# Altium PCB RTM_SFP.PcbDoc (part 6 of 17) (continued)
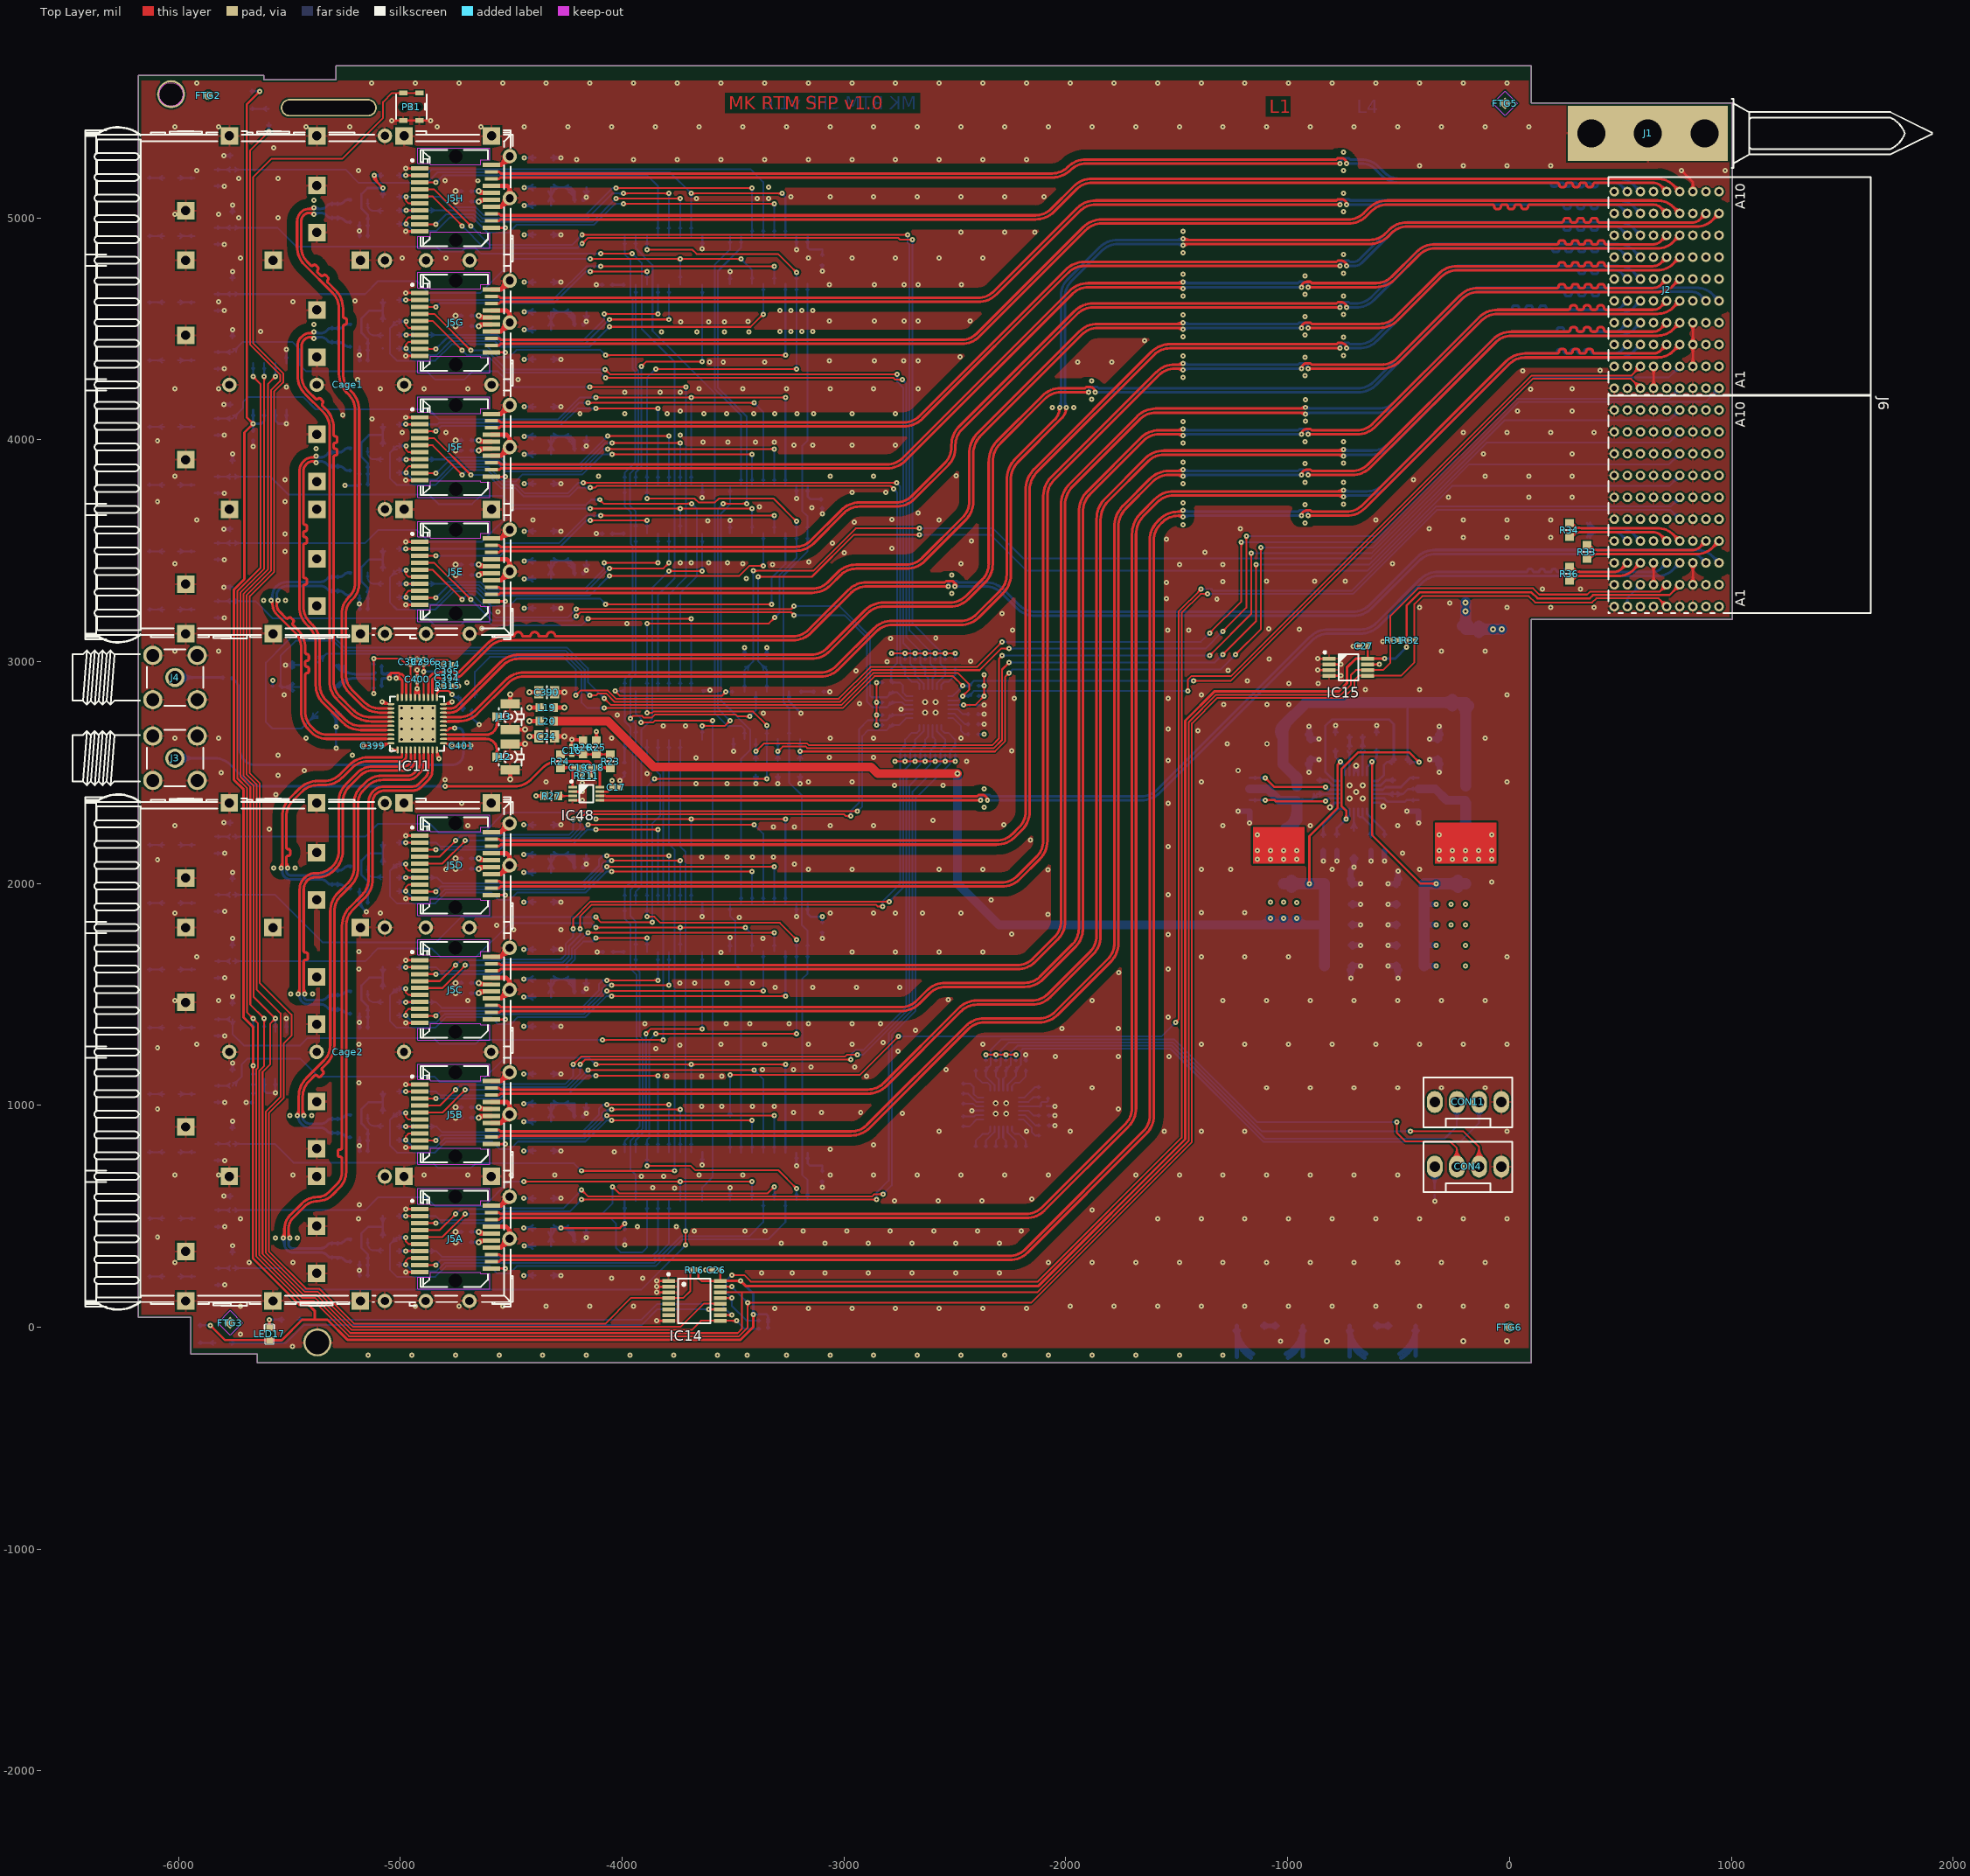
[diagram p0: Top Layer view]
## Nets (pads, with @x,y where several pads share a name; then routed paths per layer and width w, separated by ;. In a path a pad name is that pad's centre, name@x,y a point inside that pad or via, vN(x,y) a via of type N, cw(c..) or ccw(c..) an arc to the next point about the centre after c; other vN are vias at no path point) (continued)
  Bottom Layer w11.81: C228H.1@-4685.04,5073.43 v2(-4646.99,5073.43) ; C228H.1@-4680.59,5068.98 cw(c-4669.83,5058.23) -4669.83,5073.43 cw(c-4669.83,5088.64) C228H.1@-4680.59,5077.89 ; -4666,5073.43 cw(c-4666,5054.42) -4652.56,5067.87 ccw(c-4666,5054.42) -4666,5073.43 ; -4666,5073.43 ccw(c-4666,5092.44) -4652.56,5079 cw(c-4666,5092.44) -4666,5073.43
NetC280_1: C280.1 IC16.21 L2.1 T5.3 T5.7 T5.8 | length 884.5
  Bottom Layer w10: T5.7@-958.66,2375.79 -893.5,2375.79 C280.1@-866.54,2402.76 IC16.21@-768.11,2402.76 ; T5.7@-935.14,2370.97 cw(c-923.52,2359.34) -923.52,2375.79 cw(c-923.52,2392.23) T5.7@-935.14,2380.6 ; -891.6,2377.69 ccw(c-916.67,2402.76) C280.1@-881.22,2402.76 ; -889.23,2380.06 cw(c-867.52,2358.35) C280.1@-867.52,2389.06 ; C280.1@-855.86,2393.07 cw(c-832.47,2369.68) -832.47,2402.76 cw(c-832.47,2435.83) C280.1@-855.86,2412.44
  Bottom Layer w39.37: T5.3@-1171.26,2425.79 -1089.96,2425.79 -1039.96,2375.79 T5.7@-958.66,2375.79
  Bottom Layer w50: L2.1@-1018.5,2227.17 -958.66,2287.01 T5.8@-958.66,2325.79 ; L2.1@-1008.34,2247.27 ccw(c-1045.55,2325.78) T5.8@-958.66,2325.79 ; L2.1@-976.86,2230.71 cw(c-912.73,2241.07) -958.66,2287.01 ; -958.66,2362.6 T5.8@-958.66,2325.79
  other v1: -1136.61,2109.06 -1077.56,2109.06 -1018.5,2109.06 -959.45,2109.06 -1136.61,2148.43 -1077.56,2148.43 -1018.5,2148.43 -959.45,2148.43 -1136.61,2219.29
NetC280_2: C280.2 IC16.23 | length 160.2
  Bottom Layer w10: C280.2@-866.54,2465.75 -820.87,2465.75 -797.24,2442.13 IC16.23@-768.11,2442.13 ; C280.2@-855.86,2456.06 cw(c-832.47,2432.67) -832.47,2465.75 cw(c-832.47,2498.82) C280.2@-855.86,2475.44
NetC386_2: C386.2 IC16.14 IC16.15 | length 246
  Bottom Layer w10: IC16.15@-681.5,2335.83 -681.5,2305.91 -674.41,2298.82 -661.81,2298.82 ; IC16.14@-661.81,2335.83 -661.81,2298.82 ; C386.2@-634.1,2219.53 ccw(c-657.49,2242.92) -624.41,2242.92 ccw(c-591.33,2242.92) C386.2@-614.72,2219.53 ; C386.2@-624.41,2209.84 -624.41,2261.42 -661.81,2298.82
NetC392_1: C392.1 IC11.9 R313.2 | length 494.9
  Top Layer w10: IC11.9@-4993.31,2838.19 -4993.31,2859.08 -4992.46,2859.92
  Top Layer w12: v1(-5018.69,2925.59) -5001.97,2925.59 -4992.46,2916.09 ; -4992.46,2859.92 -4992.46,2916.09 ; -5004.66,2925.59 cw(c-5004.66,2939.62) -5014.58,2929.7 ccw(c-5004.66,2939.62) -5004.66,2925.59 ; -5004.66,2925.59 ccw(c-5004.66,2911.56) -5014.58,2921.48 cw(c-5004.66,2911.56) -5004.66,2925.59 ; -4992.46,2916.09 ccw(c-5007.39,2901.17) -5016.25,2920.32 cw(c-5007.39,2901.17) -4992.46,2916.09 ; v1@-5021.29,2931.21 cw(c-5015.08,2917.79) -5004.62,2928.24 ccw(c-5015.08,2917.79) v1@-5021.29,2931.21
  Bottom Layer w12: R313.2@-5089.15,2978.96 cw(c-5099.07,2969.04) -5085.04,2969.04 cw(c-5071.01,2969.04) R313.2@-5080.93,2978.96 ; R313.2@-5085.04,2983.07 C392.1@-5085.04,2949.61 -5079.13,2943.7 -5064.17,2943.7 -5058.47,2949.4 -5028.23,2949.4 ; C392.1@-5082.73,2950.93 ccw(c-5065.27,2968.39) -5065.27,2943.7 ; v1(-5018.69,2925.59) -5018.69,2939.86 -5028.23,2949.4 ; -5028.23,2949.4 cw(c-5042.11,2935.52) -5024.04,2927.86 ccw(c-5042.11,2935.52) -5028.23,2949.4 ; -5018.69,2939.62 cw(c-5032.72,2939.62) -5022.8,2929.7 ccw(c-5032.72,2939.62) -5018.69,2939.62 ; -5018.69,2939.62 ccw(c-5004.66,2939.62) -5014.58,2929.7 cw(c-5004.66,2939.62) -5018.69,2939.62
NetC393_1: C393.1 IC11.8 R312.2 | length 463.2
  Top Layer w10: -4974.46,2859.92 -4973.62,2859.08 IC11.8@-4973.62,2838.19
  Top Layer w12: v1(-5048.61,2925.59) -5048.61,2941.43 -5040.64,2949.4 ; -4974.46,2859.92 -4974.46,2924.35 -4993.7,2943.59 -5003.01,2943.59 -5008.83,2949.4 -5040.64,2949.4 ; -5048.61,2939.62 cw(c-5062.64,2939.62) -5052.72,2929.7 ccw(c-5062.64,2939.62) -5048.61,2939.62 ; -5048.61,2939.62 ccw(c-5034.58,2939.62) -5044.5,2929.7 cw(c-5034.58,2939.62) -5048.61,2939.62 ; -5040.64,2949.4 ccw(c-5028.24,2937) -5043.54,2928.43 cw(c-5028.24,2937) -5040.64,2949.4 ; v1@-5054.01,2922.57 cw(c-5042.61,2928.95) -5051.85,2938.19 ccw(c-5042.61,2928.95) v1@-5054.01,2922.57
  Bottom Layer w12: R312.2@-5089.15,2890.33 ccw(c-5099.07,2900.25) -5085.04,2900.25 ccw(c-5071.01,2900.25) R312.2@-5080.93,2890.33 ; R312.2@-5085.04,2886.22 C393.1@-5085.04,2919.68 -5079.13,2925.59 v1@-5056.83,2925.59 ; C393.1@-5082.73,2918.36 cw(c-5065.27,2900.9) -5065.27,2925.59 ; -5062.64,2925.59 cw(c-5062.64,2911.56) -5052.72,2921.48 ccw(c-5062.64,2911.56) -5062.64,2925.59 ; -5062.64,2925.59 ccw(c-5062.64,2939.62) -5052.72,2929.7 cw(c-5062.64,2939.62) -5062.64,2925.59
NetC394_1: C394.1 IC11.2 R315.2 | length 194.8
  Top Layer w10: -4856.35,2859.92 -4855.51,2859.08 IC11.2@-4855.51,2838.19
  Top Layer w12: -4856.35,2859.92 -4856.35,2917.66 -4845.02,2928.99 -4824.64,2928.99 -4818.88,2923.23 C394.1@-4803.94,2923.23 R315.2@-4803.94,2889.76 ; R315.2@-4808.05,2893.87 ccw(c-4817.97,2903.79) -4803.94,2903.79 ccw(c-4789.91,2903.79) R315.2@-4799.83,2893.87
NetC395_1: C395.1 IC11.3 R314.2 | length 224.6
  Top Layer w10: IC11.3@-4875.2,2838.19 -4875.2,2859.08 -4874.35,2859.92
  Top Layer w12: -4874.35,2859.92 -4874.35,2925.12 -4852.48,2946.99 -4824.64,2946.99 -4818.88,2952.76 C395.1@-4803.94,2952.76 R314.2@-4803.94,2986.22 ; R314.2@-4808.05,2982.11 cw(c-4817.97,2972.19) -4803.94,2972.19 cw(c-4789.91,2972.19) R314.2@-4799.83,2982.11
NetC396_2: C396.2 IC11.4 R314.1 R315.1 | length 922.1
  Top Layer w7.99: C396.2@-4897.62,2980.53 cw(c-4904.24,2973.91) -4894.88,2973.91 cw(c-4885.52,2973.91) C396.2@-4892.14,2980.53 ; IC11.4@-4894.88,2838.19 v1(-4894.88,2955.51) C396.2@-4894.88,2984.25 -4870.08,2984.25 -4845.67,3008.66 -4788.62,3008.66 -4768.5,2988.55 R314.1@-4768.5,2986.22 ; C396.2@-4892.14,2981.51 cw(c-4885.52,2974.89) -4885.52,2984.25 cw(c-4885.52,2993.61) C396.2@-4892.14,2986.99 ; -4783.49,3003.53 cw(c-4800.8,2986.22) R314.1@-4776.32,2986.22 ; R314.1@-4777.88,2997.92 ccw(c-4768.5,3007.29) R314.1@-4768.5,2994.04 ; R315.1@-4768.5,2889.76 v1(-4737.8,2889.76) ; R315.1@-4762.98,2884.24 cw(c-4749.64,2870.9) -4749.64,2889.76 cw(c-4749.64,2908.63) R315.1@-4762.98,2895.29 ; -4894.88,2936.64 cw(c-4876.01,2936.64) -4889.36,2949.99 ccw(c-4876.01,2936.64) -4894.88,2936.64 ; -4894.88,2936.64 ccw(c-4913.75,2936.64) -4900.41,2949.99 cw(c-4913.75,2936.64) -4894.88,2936.64 ; -4894.88,2974.38 cw(c-4913.75,2974.38) -4900.41,2961.04 ccw(c-4913.75,2974.38) -4894.88,2974.38 ; -4894.88,2974.38 ccw(c-4876.01,2974.38) -4889.36,2961.04 cw(c-4876.01,2974.38) -4894.88,2974.38 ; -4756.66,2889.76 cw(c-4756.66,2870.9) -4743.32,2884.24 ccw(c-4756.66,2870.9) -4756.66,2889.76 ; -4756.66,2889.76 ccw(c-4756.66,2908.63) -4743.32,2895.29 cw(c-4756.66,2908.63) -4756.66,2889.76
  Bottom Layer w7.99: v1(-4894.88,2955.51) -4754.33,2955.51 -4737.8,2938.98 v1(-4737.8,2889.76) ; -4876.01,2955.51 cw(c-4876.01,2974.38) -4889.36,2961.04 ccw(c-4876.01,2974.38) -4876.01,2955.51 ; -4876.01,2955.51 ccw(c-4876.01,2936.64) -4889.36,2949.99 cw(c-4876.01,2936.64) -4876.01,2955.51 ; -4737.8,2908.63 cw(c-4756.66,2908.63) -4743.32,2895.29 ccw(c-4756.66,2908.63) -4737.8,2908.63 ; -4737.8,2908.63 ccw(c-4718.93,2908.63) -4732.27,2895.29 cw(c-4718.93,2908.63) -4737.8,2908.63
NetC397_2: C397.2 IC11.7 R312.1 R313.1 | length 929.6
  Top Layer w7.99: v1(-5120.47,2855.51) v1(-5120.47,3013.78) -4999.61,3013.78 -4970.08,2984.25 C397.2@-4953.94,2984.25 IC11.7@-4953.94,2838.19 ; C397.2@-4956.68,2980.53 cw(c-4963.3,2973.91) -4953.94,2973.91 cw(c-4944.57,2973.91) C397.2@-4951.19,2980.53 ; C397.2@-4956.68,2981.51 ccw(c-4963.3,2974.89) -4963.3,2984.25 ccw(c-4963.3,2993.61) C397.2@-4956.68,2986.99 ; -5120.47,2874.38 cw(c-5139.34,2874.38) -5126,2861.04 ccw(c-5139.34,2874.38) -5120.47,2874.38 ; -5120.47,2874.38 ccw(c-5101.61,2874.38) -5114.95,2861.04 cw(c-5101.61,2874.38) -5120.47,2874.38 ; -5120.47,2994.91 cw(c-5101.61,2994.91) v1@-5114.95,3008.25 ; -5120.47,2994.91 ccw(c-5139.34,2994.91) -5126,3008.25 cw(c-5139.34,2994.91) -5120.47,2994.91 ; -5120.47,2994.91 cw(c-5101.61,2994.91) v1@-5114.95,3008.25 ; v1@-5114.95,3008.25 cw(c-5101.61,2994.91) -5101.61,3013.78 ; v1@-5114.95,3008.25 cw(c-5101.61,2994.91) -5101.61,3013.78 ; -5101.61,3013.78 cw(c-5101.61,3032.65) -5114.95,3019.31 ccw(c-5101.61,3032.65) -5101.61,3013.78
  Bottom Layer w7.99: R312.1@-5126,2880.69 cw(c-5139.34,2867.35) -5120.47,2867.35 cw(c-5101.61,2867.35) R312.1@-5114.95,2880.69 ; R313.1@-5126,2988.6 ccw(c-5139.34,3001.94) -5120.47,3001.94 ccw(c-5101.61,3001.94) R313.1@-5114.95,2988.6 ; v1(-5120.47,2855.51) R312.1@-5120.47,2886.22 ; R313.1@-5120.47,2983.07 v1(-5120.47,3013.78) ; -5120.47,2874.38 cw(c-5139.34,2874.38) -5126,2861.04 ccw(c-5139.34,2874.38) -5120.47,2874.38 ; -5120.47,2874.38 ccw(c-5101.61,2874.38) -5114.95,2861.04 cw(c-5101.61,2874.38) -5120.47,2874.38 ; -5120.47,2994.91 cw(c-5101.61,2994.91) -5114.95,3008.25 ccw(c-5101.61,2994.91) -5120.47,2994.91 ; -5120.47,2994.91 ccw(c-5139.34,2994.91) -5126,3008.25 cw(c-5139.34,2994.91) -5120.47,2994.91
NetCON4_2: CON4.2 IC40.15 R355.1 | length 3089.7
  Top Layer w7.99: v1(-446.06,883.86) -208.66,883.86 -137.02,812.22 ; CON4.2@-158.97,760.16 ccw(c-209.73,812.22) -137.02,812.22 ; CON4.2@-153.39,754.44 ccw(c-191.25,793.26) -137.02,793.26 ccw(c-82.8,793.26) CON4.2@-120.66,754.44 ; CON4.2@-147.81,748.72 ccw(c-172.76,774.31) -137.02,774.31 ccw(c-101.28,774.31) CON4.2@-126.24,748.72 ; CON4.2@-137.02,723.87 -137.02,812.22 ; CON4.2@-115.08,760.16 cw(c-64.32,812.22) -137.02,812.22 ; -427.2,883.86 cw(c-427.2,902.73) -440.54,889.38 ccw(c-427.2,902.73) -427.2,883.86 ; -427.2,883.86 ccw(c-427.2,864.99) -440.54,878.33 cw(c-427.2,864.99) -427.2,883.86
  Bottom Layer w7.99: R355.1@-2321.33,1156.67 cw(c-2334.67,1143.33) -2315.8,1143.33 cw(c-2296.94,1143.33) R355.1@-2310.28,1156.67 ; R355.1@-2315.8,1170.01 ccw(c-2315.8,1194.49) -2298.49,1177.18 ; R355.1@-2307.99,1162.2 cw(c-2294.74,1162.2) R355.1@-2304.11,1171.57 ; IC40.15@-2302.36,1066.54 -2302.36,1117.65 -2315.8,1131.09 R355.1@-2315.8,1162.2 -2313.48,1162.2 -2293.31,1182.37 -2293.31,1248.03 -2257.84,1283.5 -1517.15,1283.5 -1117.51,883.86 v1(-446.06,883.86) ; -464.93,883.86 cw(c-464.93,864.99) -451.59,878.33 ccw(c-464.93,864.99) -464.93,883.86 ; -464.93,883.86 ccw(c-464.93,902.73) -451.59,889.38 cw(c-464.93,902.73) -464.93,883.86
NetCON4_3: CON4.3 IC40.14 R354.1 | length 3003.2
  Top Layer w7.99: v1(-507.87,924.8) -507.87,876.38 -469.29,837.8 -268.11,837.8 -237.02,806.71 CON4.3@-237.02,723.87 ; CON4.3@-257.67,761.36 ccw(c-297.14,806.7) -237.02,806.7 ccw(c-176.91,806.7) CON4.3@-216.38,761.36 ; CON4.3@-252.42,755.34 ccw(c-281.86,789.15) -237.02,789.15 ccw(c-192.19,789.15) CON4.3@-221.63,755.34 ; -507.87,905.94 cw(c-489.01,905.94) -502.35,919.28 ccw(c-489.01,905.94) -507.87,905.94 ; -507.87,905.94 ccw(c-526.74,905.94) -513.4,919.28 cw(c-526.74,905.94) -507.87,905.94
  Bottom Layer w7.99: R354.1@-2366.6,1156.67 cw(c-2379.95,1143.33) -2361.08,1143.33 cw(c-2342.21,1143.33) R354.1@-2355.55,1156.67 ; R354.1@-2361.08,1170.01 ccw(c-2361.08,1194.49) -2343.77,1177.18 ; R354.1@-2353.26,1162.2 cw(c-2340.01,1162.2) R354.1@-2349.38,1171.57 ; IC40.14@-2322.05,1066.54 -2322.05,1092.06 -2361.08,1131.09 R354.1@-2361.08,1162.2 -2358.75,1162.2 -2338.58,1182.37 -2338.58,1250 -2291.09,1297.49 -1511.35,1297.49 -1138.67,924.8 v1(-507.87,924.8) ; -526.74,924.8 cw(c-526.74,905.94) -513.4,919.28 ccw(c-526.74,905.94) -526.74,924.8 ; -526.74,924.8 ccw(c-526.74,943.67) -513.4,930.33 cw(c-526.74,943.67) -526.74,924.8
NetCON11_2: CON11.2 IC40.17 R357.1 | length 2904.4
  Bottom Layer w7.99: IC40.17@-2262.99,1066.54 -2262.99,1093.55 -2225.45,1131.09 R357.1@-2225.45,1162.2 -2223.12,1162.2 -2203.15,1182.17 -2203.15,1245.28 -2192.91,1255.51 -1528.74,1255.51 -1108.81,835.58 -223.08,835.58 -137.02,921.64 CON11.2@-137.02,1015.21 ; R357.1@-2230.98,1156.67 cw(c-2244.32,1143.33) -2225.45,1143.33 cw(c-2206.58,1143.33) R357.1@-2219.92,1156.67 ; R357.1@-2225.45,1170.01 ccw(c-2225.45,1194.49) -2208.14,1177.18 ; R357.1@-2217.63,1162.2 cw(c-2204.38,1162.2) R357.1@-2213.75,1171.57 ; CON11.2@-159.25,979.2 cw(c-212.92,925.54) -137.02,925.54 cw(c-61.13,925.54) CON11.2@-114.79,979.2 ; CON11.2@-153.6,984.85 cw(c-193.62,944.83) -137.02,944.83 cw(c-80.42,944.83) CON11.2@-120.45,984.85 ; CON11.2@-147.95,990.51 cw(c-174.33,964.13) -137.02,964.13 cw(c-99.72,964.13) CON11.2@-126.1,990.51
NetCON11_3: CON11.3 IC40.16 R356.1 | length 2844.6
  Bottom Layer w7.99: IC40.16@-2282.68,1066.54 -2282.68,1118.95 -2270.53,1131.09 R356.1@-2270.53,1162.2 -2268.2,1162.2 -2248.72,1181.68 -2248.72,1237.86 -2248.82,1237.96 -2217.28,1269.5 -1522.94,1269.5 -1103.02,849.57 -292.94,849.57 -237.02,905.5 CON11.3@-237.02,1015.21 ; R356.1@-2276.05,1156.67 cw(c-2289.39,1143.33) -2270.53,1143.33 cw(c-2251.66,1143.33) R356.1@-2265,1156.67 ; R356.1@-2270.53,1170.01 ccw(c-2270.53,1194.49) -2253.22,1177.18 ; R356.1@-2262.71,1162.2 cw(c-2249.46,1162.2) R356.1@-2258.83,1171.57 ; CON11.3@-259.25,979.2 cw(c-312.92,925.54) -237.02,925.54 cw(c-161.13,925.54) CON11.3@-214.79,979.2 ; CON11.3@-253.6,984.85 cw(c-293.62,944.83) -237.02,944.83 cw(c-180.42,944.83) CON11.3@-220.45,984.85 ; CON11.3@-247.95,990.51 cw(c-274.33,964.13) -237.02,964.13 cw(c-199.72,964.13) CON11.3@-226.1,990.51
NetF1_1: F1.1 J6.A1 J6.A2 J6.B1 J6.B2 | length 436.6
  Bottom Layer w50: F1.1@-211.97,3160.4 ccw(c-246.59,3195.01) -197.64,3195.01 ccw(c-148.69,3195.01) F1.1@-183.3,3160.4 ; v2(-197.64,3266.03) F1.1@-197.64,3146.06 v2(-34.74,3146.06) ; F1.1@-138.03,3131.73 cw(c-103.41,3097.11) -103.41,3146.06 cw(c-103.41,3195.01) F1.1@-138.03,3160.4
  other v2: -74.02,3146.06 -197.64,3226.77
NetIC1_2: IC1.2 IC2.1 IC5.1 IC7.1 IC9.1 | length 4497.3
  Bottom Layer w7.99: IC1.2@-3253.56,2627.35 cw(c-3266.9,2614.01) -3248.03,2614.01 cw(c-3229.16,2614.01) IC1.2@-3242.51,2627.35 ; IC1.2@-3253.56,2675.8 ccw(c-3266.9,2689.14) -3248.03,2689.14 ccw(c-3229.16,2689.14) IC1.2@-3242.51,2675.8 ; IC9.1@-3169.7,597.31 ccw(c-3183.04,610.65) -3164.17,610.65 ccw(c-3145.31,610.65) IC9.1@-3158.65,597.31 ; IC7.1@-3169.7,1670.9 cw(c-3183.04,1657.56) -3164.17,1657.56 cw(c-3145.31,1657.56) IC7.1@-3158.65,1670.9 ; IC7.1@-3169.7,1719.35 ccw(c-3183.04,1732.69) -3164.17,1732.69 ccw(c-3145.31,1732.69) IC7.1@-3158.65,1719.35 ; IC5.1@-3169.7,3555.95 cw(c-3183.04,3542.61) -3164.17,3542.61 cw(c-3145.31,3542.61) IC5.1@-3158.65,3555.95 ; IC5.1@-3169.7,3604.4 ccw(c-3183.04,3617.74) -3164.17,3617.74 ccw(c-3145.31,3617.74) IC5.1@-3158.65,3604.4 ; IC2.1@-3169.7,4677.99 cw(c-3183.04,4664.65) -3164.17,4664.65 cw(c-3145.31,4664.65) IC2.1@-3158.65,4677.99 ; IC9.1@-3164.17,573.08 -3164.17,662.6 -3188.58,687.01 -3188.58,1569.69 -3164.17,1594.09 IC7.1@-3164.17,1695.13 -3164.17,1786.61 -3190.16,1812.6 -3190.16,2397.64 -3248.03,2455.51 IC1.2@-3248.03,2651.57 -3248.03,2790.94 -3273.23,2816.14 -3273.23,3388.08 -3164.17,3497.13 IC5.1@-3164.17,3580.17 -3164.17,3654.33 -3188.98,3679.13 -3188.98,3971.65 -3164.17,3996.46 IC2.1@-3164.17,4702.22
NetIC1_4: IC1.4 IC2.2 IC3.3 IC4.3 IC5.2 IC6.3 IC7.2 IC8.3 IC9.2 IC10.3 | length 12621
  Top Layer w7.99: v1(-3888.78,727.94) -3692.12,727.94 -3672.04,707.87 -3296.85,707.87 v1(-3214.17,625.19) ; v1(-3888.78,1849.99) -3854.72,1849.99 -3827.31,1822.59 -3289.52,1822.59 v1(-3214.17,1747.24) ; v1(-3888.78,2768.68) -3864.78,2768.68 -3858.66,2774.8 -3409.83,2774.8 v1(-3348.03,2713.01) ; v1(-3888.78,3171.65) -3338.98,3171.65 v1(-3311.81,3198.82) ; v1(-3888.78,3735.04) -3673.62,3735.04 -3655.12,3716.54 -3582.68,3716.54 -3564.17,3735.04 -3316.93,3735.04 v1(-3214.17,3632.28) ; v1(-3888.78,4857.09) -3685.04,4857.09 -3664.96,4837.01 -3297.64,4837.01 -3297.24,4837.4 v1(-3214.17,4754.33) ; v1(-3854.72,2471.65) v1(-3348.03,2471.65) ; v1(-3849.21,1322.43) v1(-3214.17,1322.43) ; v1(-3849.21,4318.9) v1(-3214.17,4318.9) ; -3358.41,2722.58 ccw(c-3345.36,2726.08) v1@-3348.07,2712.84 ; -3357.6,2723.39 cw(c-3361.1,2710.33) v1@-3347.86,2713.04 ; -3322.19,3189.25 cw(c-3309.14,3185.75) v1@-3311.85,3198.99 ; -3321.38,3188.44 ccw(c-3324.88,3201.49) v1@-3311.64,3198.78 ; -3224.55,634.76 ccw(c-3211.5,638.26) v1@-3214.21,625.01 ; -3224.55,1756.8 ccw(c-3211.5,1760.3) v1@-3214.21,1747.06 ; -3224.55,3641.85 ccw(c-3211.5,3645.35) v1@-3214.21,3632.11 ; -3224.55,4763.9 ccw(c-3211.5,4767.4) v1@-3214.21,4754.16 ; -3223.74,635.57 cw(c-3227.24,622.51) v1@-3214,625.22 ; -3223.74,1757.61 cw(c-3227.24,1744.56) v1@-3214,1747.27 ; -3223.74,3642.66 cw(c-3227.24,3629.61) v1@-3214,3632.32 ; -3223.74,4764.71 cw(c-3227.24,4751.65) v1@-3214,4754.37 ; -3869.91,727.94 cw(c-3869.91,746.81) -3883.25,733.47 ccw(c-3869.91,746.81) -3869.91,727.94 ; -3869.91,727.94 ccw(c-3869.91,709.08) -3883.25,722.42 cw(c-3869.91,709.08) -3869.91,727.94 ; -3869.91,1849.99 cw(c-3869.91,1868.86) -3883.25,1855.52 ccw(c-3869.91,1868.86) -3869.91,1849.99 ; -3869.91,1849.99 ccw(c-3869.91,1831.12) -3883.25,1844.47 cw(c-3869.91,1831.12) -3869.91,1849.99 ; -3869.91,2768.68 cw(c-3869.91,2787.55) -3883.25,2774.21 ccw(c-3869.91,2787.55) -3869.91,2768.68 ; -3869.91,2768.68 ccw(c-3869.91,2749.82) -3883.25,2763.16 cw(c-3869.91,2749.82) -3869.91,2768.68 ; -3869.91,3171.65 cw(c-3869.91,3190.52) -3883.25,3177.18 ccw(c-3869.91,3190.52) -3869.91,3171.65 ; -3869.91,3171.65 ccw(c-3869.91,3152.79) -3883.25,3166.13 cw(c-3869.91,3152.79) -3869.91,3171.65 ; -3869.91,3735.04 cw(c-3869.91,3753.91) -3883.25,3740.56 ccw(c-3869.91,3753.91) -3869.91,3735.04 ; -3869.91,3735.04 ccw(c-3869.91,3716.17) -3883.25,3729.51 cw(c-3869.91,3716.17) -3869.91,3735.04 ; -3869.91,4857.09 cw(c-3869.91,4875.95) -3883.25,4862.61 ccw(c-3869.91,4875.95) -3869.91,4857.09 ; -3869.91,4857.09 ccw(c-3869.91,4838.22) -3883.25,4851.56 cw(c-3869.91,4838.22) -3869.91,4857.09 ; -3835.86,2471.65 cw(c-3835.86,2490.52) -3849.2,2477.18 ccw(c-3835.86,2490.52) -3835.86,2471.65 ; -3835.86,2471.65 ccw(c-3835.86,2452.79) -3849.2,2466.13 cw(c-3835.86,2452.79) -3835.86,2471.65 ; -3830.35,1322.43 cw(c-3830.35,1341.3) -3843.69,1327.96 ccw(c-3830.35,1341.3) -3830.35,1322.43 ; -3830.35,1322.43 ccw(c-3830.35,1303.57) -3843.69,1316.91 cw(c-3830.35,1303.57) -3830.35,1322.43 ; -3830.35,4318.9 cw(c-3830.35,4337.76) -3843.69,4324.42 ccw(c-3830.35,4337.76) -3830.35,4318.9 ; -3830.35,4318.9 ccw(c-3830.35,4300.03) -3843.69,4313.37 cw(c-3830.35,4300.03) -3830.35,4318.9 ; -3366.9,2471.65 cw(c-3366.9,2452.79) -3353.56,2466.13 ccw(c-3366.9,2452.79) -3366.9,2471.65 ; -3366.9,2471.65 ccw(c-3366.9,2490.52) -3353.56,2477.18 cw(c-3366.9,2490.52) -3366.9,2471.65 ; -3361.37,2726.35 cw(c-3374.71,2713.01) -3355.85,2713.01 ccw(c-3374.71,2713.01) -3361.37,2726.35 ; -3361.37,2726.35 ccw(c-3348.03,2739.69) -3348.03,2720.82 cw(c-3348.03,2739.69) -3361.37,2726.35 ; -3325.15,3185.48 cw(c-3311.81,3172.14) -3311.81,3191 ccw(c-3311.81,3172.14) -3325.15,3185.48 ; -3325.15,3185.48 ccw(c-3338.49,3198.82) -3319.63,3198.82 cw(c-3338.49,3198.82) -3325.15,3185.48 ; -3233.04,1322.43 cw(c-3233.04,1303.57) -3219.7,1316.91 ccw(c-3233.04,1303.57) -3233.04,1322.43 ; -3233.04,1322.43 ccw(c-3233.04,1341.3) -3219.7,1327.96 cw(c-3233.04,1341.3) -3233.04,1322.43 ; -3233.04,4318.9 cw(c-3233.04,4300.03) -3219.7,4313.37 ccw(c-3233.04,4300.03) -3233.04,4318.9 ; -3233.04,4318.9 ccw(c-3233.04,4337.76) -3219.7,4324.42 cw(c-3233.04,4337.76) -3233.04,4318.9 ; -3227.51,638.53 cw(c-3240.86,625.19) -3221.99,625.19 ccw(c-3240.86,625.19) -3227.51,638.53 ; -3227.51,638.53 ccw(c-3214.17,651.87) -3214.17,633 cw(c-3214.17,651.87) -3227.51,638.53 ; -3227.51,1760.58 cw(c-3240.86,1747.24) -3221.99,1747.24 ccw(c-3240.86,1747.24) -3227.51,1760.58 ; -3227.51,1760.58 ccw(c-3214.17,1773.92) -3214.17,1755.05 cw(c-3214.17,1773.92) -3227.51,1760.58 ; -3227.51,3645.62 cw(c-3240.86,3632.28) -3221.99,3632.28 ccw(c-3240.86,3632.28) -3227.51,3645.62 ; -3227.51,3645.62 ccw(c-3214.17,3658.97) -3214.17,3640.1 cw(c-3214.17,3658.97) -3227.51,3645.62 ; -3227.51,4767.67 cw(c-3240.86,4754.33) -3221.99,4754.33 ccw(c-3240.86,4754.33) -3227.51,4767.67 ; -3227.51,4767.67 ccw(c-3214.17,4781.01) -3214.17,4762.15 cw(c-3214.17,4781.01) -3227.51,4767.67
  Bottom Layer w7.99: IC8.3@-3894.44,755.72 cw(c-3908.1,742.05) -3888.78,742.05 cw(c-3869.46,742.05) IC8.3@-3883.12,755.72 ; IC8.3@-3894.44,823.04 ccw(c-3908.1,836.7) -3888.78,836.7 ccw(c-3869.46,836.7) IC8.3@-3883.12,823.04 ; IC6.3@-3894.44,1877.77 cw(c-3908.1,1864.1) -3888.78,1864.1 cw(c-3869.46,1864.1) IC6.3@-3883.12,1877.77 ; IC6.3@-3894.44,1945.09 ccw(c-3908.1,1958.75) -3888.78,1958.75 ccw(c-3869.46,1958.75) IC6.3@-3883.12,1945.09 ; IC10.3@-3894.44,2833.47 cw(c-3908.1,2819.8) -3888.78,2819.8 cw(c-3869.46,2819.8) IC10.3@-3883.12,2833.47 ; IC10.3@-3894.44,2900.79 ccw(c-3908.1,2914.45) -3888.78,2914.45 ccw(c-3869.46,2914.45) IC10.3@-3883.12,2900.79 ; IC4.3@-3894.44,3762.81 cw(c-3908.1,3749.15) -3888.78,3749.15 cw(c-3869.46,3749.15) IC4.3@-3883.12,3762.81 ; IC4.3@-3894.44,3830.13 ccw(c-3908.1,3843.8) -3888.78,3843.8 ccw(c-3869.46,3843.8) IC4.3@-3883.12,3830.13 ; IC3.3@-3894.44,4884.86 cw(c-3908.1,4871.2) -3888.78,4871.2 cw(c-3869.46,4871.2) IC3.3@-3883.12,4884.86 ; v1(-3888.78,727.94) IC8.3@-3888.78,789.38 -3888.78,844.49 -3878.94,854.33 -3878.94,1292.71 v1(-3849.21,1322.43) ; v1(-3888.78,1849.99) IC6.3@-3888.78,1911.43 -3888.78,2437.6 v1(-3854.72,2471.65) ; v1(-3888.78,2768.68) IC10.3@-3888.78,2867.13 v1(-3888.78,3171.65) ; v1(-3888.78,3735.04) IC4.3@-3888.78,3796.47 -3888.78,4279.33 v1(-3849.21,4318.9) ; v1(-3888.78,4857.09) IC3.3@-3888.78,4918.52 ; IC1.4@-3353.56,2627.35 cw(c-3366.9,2614.01) -3348.03,2614.01 cw(c-3329.16,2614.01) IC1.4@-3342.51,2627.35 ; IC1.4@-3353.56,2675.8 ccw(c-3366.9,2689.14) -3348.03,2689.14 ccw(c-3329.16,2689.14) IC1.4@-3342.51,2675.8 ; v1(-3348.03,2471.65) IC1.4@-3348.03,2651.57 v1(-3348.03,2713.01) ; v1(-3311.81,3198.82) -3290.06,3220.57 -3290.06,3391.04 -3214.17,3466.93 IC5.2@-3214.17,3580.17 v1(-3214.17,3632.28) ; IC9.2@-3219.7,597.31 ccw(c-3233.04,610.65) -3214.17,610.65 ccw(c-3195.31,610.65) IC9.2@-3208.65,597.31 ; IC7.2@-3219.7,1670.9 cw(c-3233.04,1657.56) -3214.17,1657.56 cw(c-3195.31,1657.56) IC7.2@-3208.65,1670.9 ; IC7.2@-3219.7,1719.35 ccw(c-3233.04,1732.69) -3214.17,1732.69 ccw(c-3195.31,1732.69) IC7.2@-3208.65,1719.35 ; IC5.2@-3219.7,3555.95 cw(c-3233.04,3542.61) -3214.17,3542.61 cw(c-3195.31,3542.61) IC5.2@-3208.65,3555.95 ; IC5.2@-3219.7,3604.4 ccw(c-3233.04,3617.74) -3214.17,3617.74 ccw(c-3195.31,3617.74) IC5.2@-3208.65,3604.4 ; IC2.2@-3219.7,4677.99 cw(c-3233.04,4664.65) -3214.17,4664.65 cw(c-3195.31,4664.65) IC2.2@-3208.65,4677.99 ; IC2.2@-3219.7,4726.45 ccw(c-3233.04,4739.79) -3214.17,4739.79 ccw(c-3195.31,4739.79) IC2.2@-3208.65,4726.45 ; IC9.2@-3214.17,573.08 v1(-3214.17,625.19) ; v1@-3214.17,1311.8 v1(-3214.17,1322.43) IC7.2@-3214.17,1695.13 v1(-3214.17,1747.24) ; v1(-3214.17,4318.9) IC2.2@-3214.17,4702.22 v1(-3214.17,4754.33) ; -3888.78,746.81 cw(c-3907.65,746.81) -3894.31,733.47 ccw(c-3907.65,746.81) -3888.78,746.81 ; -3888.78,746.81 ccw(c-3869.91,746.81) -3883.25,733.47 cw(c-3869.91,746.81) -3888.78,746.81 ; -3888.78,1868.86 cw(c-3907.65,1868.86) -3894.31,1855.52 ccw(c-3907.65,1868.86) -3888.78,1868.86 ; -3888.78,1868.86 ccw(c-3869.91,1868.86) -3883.25,1855.52 cw(c-3869.91,1868.86) -3888.78,1868.86 ; -3888.78,2787.55 cw(c-3907.65,2787.55) -3894.31,2774.21 ccw(c-3907.65,2787.55) -3888.78,2787.55 ; -3888.78,2787.55 ccw(c-3869.91,2787.55) -3883.25,2774.21 cw(c-3869.91,2787.55) -3888.78,2787.55 ; -3888.78,3152.79 cw(c-3869.91,3152.79) -3883.25,3166.13 ccw(c-3869.91,3152.79) -3888.78,3152.79 ; -3888.78,3152.79 ccw(c-3907.65,3152.79) -3894.31,3166.13 cw(c-3907.65,3152.79) -3888.78,3152.79 ; -3888.78,3753.91 cw(c-3907.65,3753.91) -3894.31,3740.56 ccw(c-3907.65,3753.91) -3888.78,3753.91 ; -3888.78,3753.91 ccw(c-3869.91,3753.91) -3883.25,3740.56 cw(c-3869.91,3753.91) -3888.78,3753.91 ; -3888.78,4875.95 cw(c-3907.65,4875.95) -3894.31,4862.61 ccw(c-3907.65,4875.95) -3888.78,4875.95 ; -3888.78,4875.95 ccw(c-3869.91,4875.95) -3883.25,4862.61 cw(c-3869.91,4875.95) -3888.78,4875.95 ; -3868.07,2458.31 cw(c-3854.72,2444.97) -3854.72,2463.84 ccw(c-3854.72,2444.97) -3868.07,2458.31 ; -3868.07,2458.31 ccw(c-3881.41,2471.65) -3862.54,2471.65 cw(c-3881.41,2471.65) -3868.07,2458.31 ; -3862.55,1309.09 cw(c-3849.21,1295.75) -3849.21,1314.62 ccw(c-3849.21,1295.75) -3862.55,1309.09 ; -3862.55,1309.09 ccw(c-3875.89,1322.43) -3857.03,1322.43 cw(c-3875.89,1322.43) -3862.55,1309.09 ; -3862.55,4305.56 cw(c-3849.21,4292.22) -3849.21,4311.08 ccw(c-3849.21,4292.22) -3862.55,4305.56 ; -3862.55,4305.56 ccw(c-3875.89,4318.9) -3857.03,4318.9 cw(c-3875.89,4318.9) -3862.55,4305.56 ; -3348.03,2490.52 cw(c-3366.9,2490.52) -3353.56,2477.18 ccw(c-3366.9,2490.52) -3348.03,2490.52 ; -3348.03,2490.52 ccw(c-3329.16,2490.52) -3342.51,2477.18 cw(c-3329.16,2490.52) -3348.03,2490.52 ; -3348.03,2694.14 cw(c-3329.16,2694.14) -3342.51,2707.48 ccw(c-3329.16,2694.14) -3348.03,2694.14 ; -3348.03,2694.14 ccw(c-3366.9,2694.14) -3353.56,2707.48 cw(c-3366.9,2694.14) -3348.03,2694.14 ; -3298.47,3212.16 cw(c-3311.81,3225.5) -3311.81,3206.63 ccw(c-3311.81,3225.5) -3298.47,3212.16 ; -3298.47,3212.16 ccw(c-3285.13,3198.82) -3304,3198.82 cw(c-3285.13,3198.82) -3298.47,3212.16 ; -3214.17,606.32 cw(c-3195.31,606.32) -3208.65,619.66 ccw(c-3195.31,606.32) -3214.17,606.32 ; -3214.17,606.32 ccw(c-3233.04,606.32) -3219.7,619.66 cw(c-3233.04,606.32) -3214.17,606.32 ; -3214.17,1341.3 cw(c-3233.04,1341.3) -3219.7,1327.96 ccw(c-3233.04,1341.3) -3214.17,1341.3 ; -3214.17,1341.3 ccw(c-3195.31,1341.3) -3208.65,1327.96 cw(c-3195.31,1341.3) -3214.17,1341.3 ; -3214.17,1728.37 cw(c-3195.31,1728.37) -3208.65,1741.71 ccw(c-3195.31,1728.37) -3214.17,1728.37 ; -3214.17,1728.37 ccw(c-3233.04,1728.37) -3219.7,1741.71 cw(c-3233.04,1728.37) -3214.17,1728.37 ; -3214.17,3613.42 cw(c-3195.31,3613.42) -3208.65,3626.76 ccw(c-3195.31,3613.42) -3214.17,3613.42 ; -3214.17,3613.42 ccw(c-3233.04,3613.42) -3219.7,3626.76 cw(c-3233.04,3613.42) -3214.17,3613.42 ; -3214.17,4337.76 cw(c-3233.04,4337.76) -3219.7,4324.42 ccw(c-3233.04,4337.76) -3214.17,4337.76 ; -3214.17,4337.76 ccw(c-3195.31,4337.76) -3208.65,4324.42 cw(c-3195.31,4337.76) -3214.17,4337.76 ; -3214.17,4735.46 cw(c-3195.31,4735.46) -3208.65,4748.8 ccw(c-3195.31,4735.46) -3214.17,4735.46 ; -3214.17,4735.46 ccw(c-3233.04,4735.46) -3219.7,4748.8 cw(c-3233.04,4735.46) -3214.17,4735.46
NetIC1_6: IC1.6 IC3.2 | length 2567.3
  Bottom Layer w7.99: IC3.2@-3944.44,4884.86 cw(c-3958.1,4871.2) -3938.78,4871.2 cw(c-3919.46,4871.2) IC3.2@-3933.12,4884.86 ; IC3.2@-3938.78,4918.52 -3938.78,4862.4 -3863.39,4787.01 -3863.39,4490.55 -3582.33,4209.49 -3582.33,2766.97 -3524.8,2709.45 -3461.42,2709.45 -3448.03,2696.06 IC1.6@-3448.03,2651.57 ; IC1.6@-3453.56,2675.8 ccw(c-3466.9,2689.14) -3448.03,2689.14 ccw(c-3429.16,2689.14) IC1.6@-3442.51,2675.8